# KiCad board MPPT Li-Ion CN3791 charger board_panel.kicad_pcb (continued)
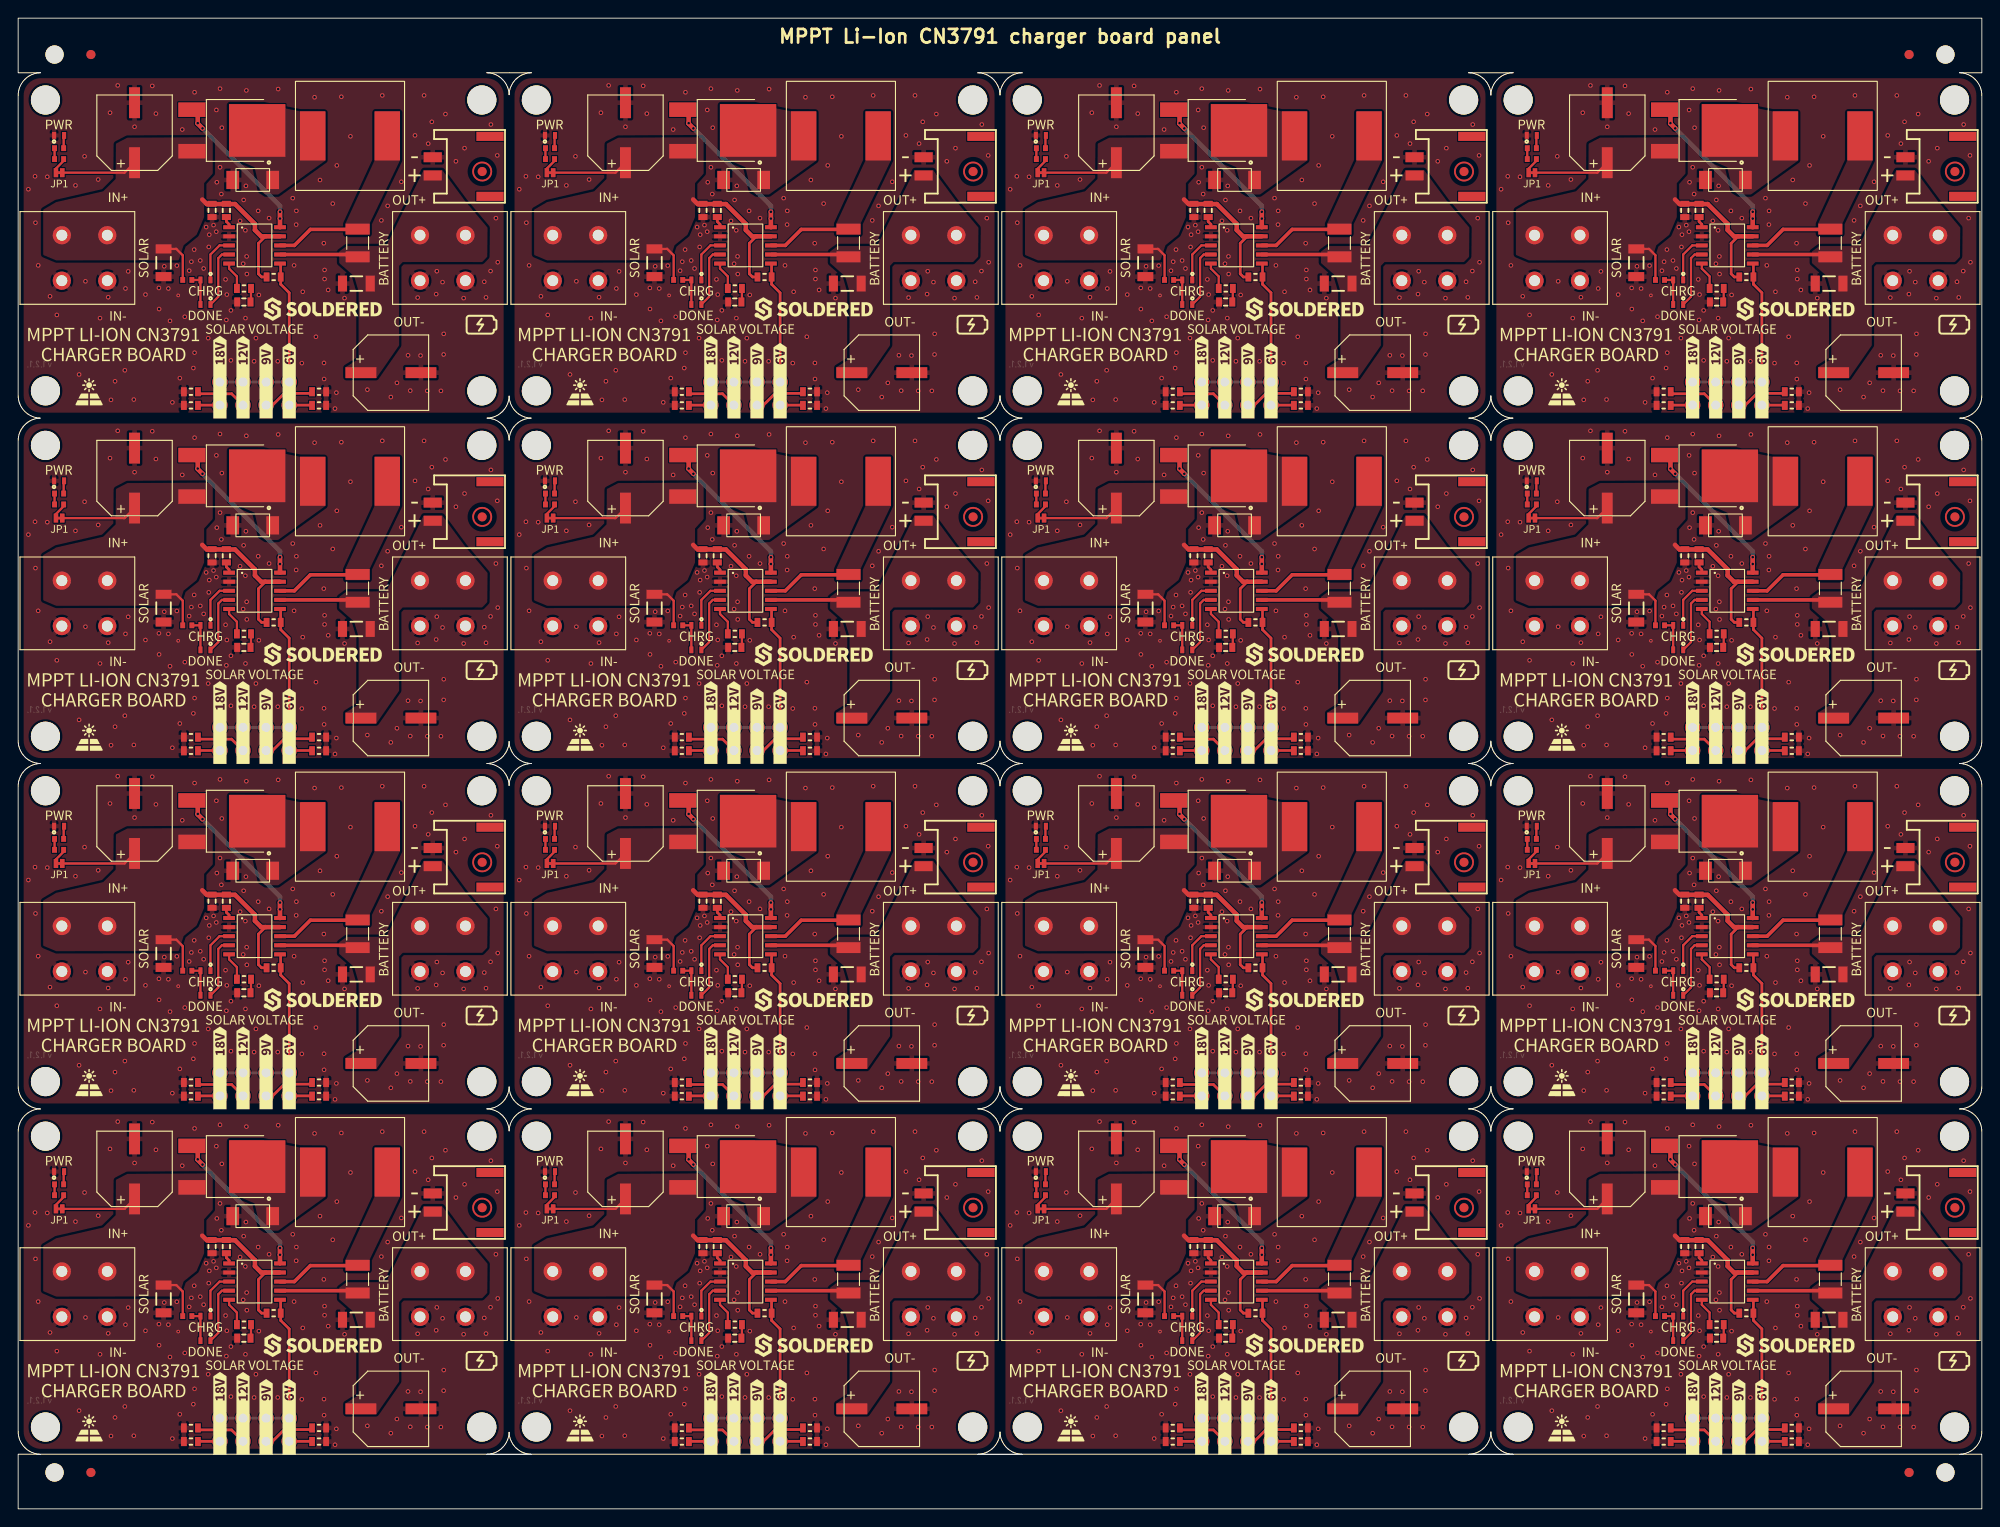
[diagram p0: board, top side]
## Routing (per net, layer and track width the routed paths; a pad name or vN(x,y) marks a point on that pad's centre or on a via; arc(x,y) is an arc through that point) (continued)
Board_13-Net-(D1-Pad2): length 7.3
  Top w0.25: D1#7.2 76.01,19.36 76.01,23.6 76.41,24 77.7,24
Board_13-Net-(D2-Pad2): length 5.8
  Top w0.25: D2#14.2 75.15,24 76.15,25 77.7,25
Board_13-Net-(D3-Pad1): length 18.5
  Top w0.5: U1#7.10 v1(82.8,27.95) v1(82.8,28.7) ; D3#16.1 73.75,39.3 v1(73.75,38.45) 73.75,38.4 v1(74.28,37.88)
  Bottom w0.5: v1(73.75,38.45) 73.75,38.4 v1(74.28,37.88) 82.8,29.35 v1(82.8,28.7) v1(82.8,27.95)
Board_13-Net-(D5-Pad1): length 1.4
  Top w0.254: R9#2.2 59,37.05 D5#13.1
Board_13-Net-(JP1-Pad2): length 1.9
  Top w0.254: R10#5.1 59,34.3 58.15,33.45 JP1#12.2
Board_13-Net-(K2-Pad1): length 2.4
  Top w0.3: R3#6.2 73.81,7.43 K2#9.1
Board_13-Net-(K2-Pad2): length 5.6
  Top w0.3: R4#11.2 74,8.68 77.48,8.68 K2#9.2
Board_13-Net-(K2-Pad3): length 5.7
  Top w0.3: K2#9.3 81.98,7.43 83.27,8.72 86.15,8.72 R6.2
Board_13-Net-(K2-Pad4): length 26.1
  Top w0.3: K2#9.4 86.3,7.43 R7#16.2 ; U1#7.6 82.88,22.93 R5#14.1 82.88,20.73 83.81,19.79 K2#9.5
  Bottom w0.3: K2#9.4 K2#9.5 K2#9.8
Board_13-Net-(L1-Pad2): length 9.3
  Top w0.3: 91.31,26.76 R8#16.1
  Top w0.4: 91.31,26.76 86.14,26.76 84.38,25 U1#7.8
Board_13-Net-(R2-Pad2): length 3.1
  Top w0.25: U1#7.5 77.2,22.45 78.06,21.59 R2#8.2
Board_13-Net-(R10-Pad2): length 1.2
  Top w0.254: R10#5.2 R9#2.1
Board_13-VCC: length 29.6
  Top w0.254: R1#16.2 72.1,23.91 71.4,24.62 C1#6.2 ; C3#5.1 65.7,33 JP1#12.1
  Top w0.3: R5#14.2 80.78,21.53 80.43,21.88 80.43,25.23 81.2,26
  Top w0.5: 74.25,30.05 74.75,29.55 77.85,29.55 80.04,27.36 80.04,26.69 80.73,26 U1#7.9
Board_14-BAT: length 8.6
  Top w0.4: R8.2 145.09,24 U1#15.7
Board_14-GND:
  vias: v1(109.12,31.18) v1(109.85,32.6) v1(109.9,27.5) v1(110.2,22.8) v1(111.2,32.55) v1(111.5,19.4) v1(112.25,17.35) v1(114.3,31.6) v1(114.7,10.8) v1(115.3,34.8) v1(115.4,21.05) v1(116.8,32.25) v1(117,17) v1(117.9,19.3) v1(118.1,39.6) v1(118.21,8.01) v1(118.65,10.05) v1(118.95,42.6) v1(119.73,11.26) v1(119.8,20.26) v1(120.1,22.14) v1(120.72,8.04) v1(120.8,38.05) v1(122,19.59) v1(122.75,42.55) v1(123.15,39.5) v1(123.48,20.32) v1(123.5,18) v1(124.07,22.7) v1(124.52,20.26) v1(124.7,16.7) v1(124.96,7.73) v1(125.45,22.78) v1(125.78,10.4) v1(126.05,37.75) v1(126.33,17.15) v1(126.81,22.22) v1(127.05,23.21) v1(127.27,11.51) v1(127.4,41.85) v1(127.36,24.54) v1(127.4,13.2) v1(128.03,23.34) v1(128.4,22.46) v1(128.68,27.02) v1(128.9,14.8) v1(129.02,26.18) v1(128.96,24.83) v1(129.49,27.23) v1(129.8,39.9) v1(129.79,26.51) v1(129.85,31.95) v1(130.2,42.25) v1(130.2,33.6) v1(130.4,37.95) v1(130.35,30.65) v1(130.81,21.26) v1(130.9,16.8) v1(130.95,19.59) v1(131.4,17.85) v1(131.4,12.35) v1(132.41,27.7) v1(132.8,30) v1(132.75,22.99) v1(132.99,26.66) v1(133,17) v1(133.1,42.05) v1(133.05,31.55) v1(133.13,23.79) v1(133.15,21.85) v1(133.95,12.25) v1(134.15,14.8) v1(134.4,28.8) v1(134.48,19.55) v1(135.6,28) v1(136.6,42.2) v1(136.55,12.25) v1(138.2,30.2) v1(138.35,22.8) v1(138.6,28.8) v1(138.58,27.29) v1(139.2,12.05) v1(139.3,19.9) v1(140.6,41.3) v1(140.75,14.95) v1(141.2,32.2) v1(141.62,25.24) v1(141.64,12.07) v1(141.7,22.3) v1(141.7,21.3) v1(141.65,10.3) v1(142.1,20.1) v1(142.6,29.6) v1(142.85,7.05) v1(143,8.8) v1(143.05,33.8) v1(143.55,41.35) v1(143.9,19.2) v1(144.55,37) v1(146.41,9.13) v1(147.95,27.75) v1(148.05,41.5) v1(148.64,29.35) v1(148.99,8.32) v1(149.66,9.88) v1(150.15,32) v1(150.88,12.91) v1(151.13,9.02) v1(151.65,37.1) v1(151.94,19.26) v1(152.26,12.88) v1(152.65,41.5) v1(153,9) v1(153.1,36.2) v1(153.5,38.6) v1(153.98,19.64) v1(154.05,22.16) v1(154.5,9) v1(154.68,20.96) v1(154.81,15.27) v1(154.8,13) v1(155,39.45) v1(156.15,34.25) v1(157,19.2) v1(157.1,35.7) v1(159.27,21) v1(159.46,19.28) v1(160,38.3) v1(159.96,22.18) v1(160.55,28) v1(160.7,34.9) v1(160.75,23.15) v2(125.6,19.5)
Board_14-Net-(C4-Pad1): length 1.2
  Top w0.3: U1#15.1 131.2,27.33 130.9,27.62 C4#15.1
Board_14-Net-(C5-Pad2): length 1.5
  Top w0.25: C5#4.2 133.61,18.83 R2#15.1
Board_14-Net-(D1-Pad1): length 3.7
  Top w0.254: D1#13.1 D2#3.1 R1#5.1
Board_14-Net-(D1-Pad2): length 7.3
  Top w0.25: 131.7,24 130.41,24 130.01,23.6 130.01,19.36 D1#13.2
Board_14-Net-(D2-Pad2): length 5.8
  Top w0.25: D2#3.2 129.15,24 130.15,25 131.7,25
Board_14-Net-(D3-Pad1): length 18.5
  Top w0.5: v1(128.28,37.88) 127.75,38.4 v1(127.75,38.45) 127.75,39.3 D3#11.1 ; v1(136.8,28.7) v1(136.8,27.95) U1#15.10
  Bottom w0.5: v1(136.8,27.95) v1(136.8,28.7) 136.8,29.35 v1(128.28,37.88) 127.75,38.4 v1(127.75,38.45)
Board_14-Net-(D5-Pad1): length 1.4
  Top w0.254: D5#8.1 113,37.05 R9#14.2
Board_14-Net-(JP1-Pad2): length 1.9
  Top w0.254: JP1#9.2 112.15,33.45 113,34.3 R10#10.1
Board_14-Net-(K2-Pad1): length 2.4
  Top w0.3: K2#13.1 127.81,7.43 R3#13.2
Board_14-Net-(K2-Pad2): length 5.6
  Top w0.3: K2#13.2 131.48,8.68 128,8.68 R4#5.2
Board_14-Net-(K2-Pad3): length 5.7
  Top w0.3: K2#13.3 135.98,7.43 137.27,8.72 140.15,8.72 R6#10.2
Board_14-Net-(K2-Pad4): length 26.1
  Top w0.3: R7#6.2 140.3,7.43 K2#13.4 ; U1#15.6 136.88,22.93 R5#4.1 136.88,20.73 137.81,19.79 K2#13.5
  Bottom w0.3: K2#13.4 K2#13.5 K2#13.8
Board_14-Net-(L1-Pad2): length 9.3
  Top w0.3: 145.31,26.76 R8.1
  Top w0.4: 145.31,26.76 140.14,26.76 138.38,25 U1#15.8
Board_14-Net-(R2-Pad2): length 3.1
  Top w0.25: U1#15.5 131.2,22.45 132.06,21.59 R2#15.2
Board_14-Net-(R10-Pad2): length 1.2
  Top w0.254: R10#10.2 R9#14.1
Board_14-VCC: length 29.6
  Top w0.254: R1#5.2 126.1,23.91 125.4,24.62 C1#14.2 ; C3#9.1 119.7,33 JP1#9.1
  Top w0.3: R5#4.2 134.78,21.53 134.43,21.88 134.43,25.23 135.2,26
  Top w0.5: U1#15.9 134.73,26 134.04,26.69 134.04,27.36 131.85,29.55 128.75,29.55 128.25,30.05
Board_15-BAT: length 8.6
  Top w0.4: R8#7.2 199.09,24 U1#11.7
Board_15-GND:
  vias: v1(163.12,31.18) v1(163.85,32.6) v1(163.9,27.5) v1(164.2,22.8) v1(165.2,32.55) v1(165.5,19.4) v1(166.25,17.35) v1(168.3,31.6) v1(168.7,10.8) v1(169.3,34.8) v1(169.4,21.05) v1(170.8,32.25) v1(171,17) v1(171.9,19.3) v1(172.1,39.6) v1(172.21,8.01) v1(172.65,10.05) v1(172.95,42.6) v1(173.73,11.26) v1(173.8,20.26) v1(174.1,22.14) v1(174.72,8.04) v1(174.8,38.05) v1(176,19.59) v1(176.75,42.55) v1(177.15,39.5) v1(177.48,20.32) v1(177.5,18) v1(178.07,22.7) v1(178.52,20.26) v1(178.7,16.7) v1(178.96,7.73) v1(179.45,22.78) v1(179.78,10.4) v1(180.05,37.75) v1(180.33,17.15) v1(180.81,22.22) v1(181.05,23.21) v1(181.27,11.51) v1(181.4,41.85) v1(181.36,24.54) v1(181.4,13.2) v1(182.03,23.34) v1(182.4,22.46) v1(182.68,27.02) v1(182.9,14.8) v1(183.02,26.18) v1(182.96,24.83) v1(183.49,27.23) v1(183.8,39.9) v1(183.79,26.51) v1(183.85,31.95) v1(184.2,42.25) v1(184.2,33.6) v1(184.4,37.95) v1(184.35,30.65) v1(184.81,21.26) v1(184.9,16.8) v1(184.95,19.59) v1(185.4,17.85) v1(185.4,12.35) v1(186.41,27.7) v1(186.8,30) v1(186.75,22.99) v1(186.99,26.66) v1(187,17) v1(187.1,42.05) v1(187.05,31.55) v1(187.13,23.79) v1(187.15,21.85) v1(187.95,12.25) v1(188.15,14.8) v1(188.4,28.8) v1(188.48,19.55) v1(189.6,28) v1(190.6,42.2) v1(190.55,12.25) v1(192.2,30.2) v1(192.35,22.8) v1(192.6,28.8) v1(192.58,27.29) v1(193.2,12.05) v1(193.3,19.9) v1(194.6,41.3) v1(194.75,14.95) v1(195.2,32.2) v1(195.62,25.24) v1(195.64,12.07) v1(195.7,22.3) v1(195.7,21.3) v1(195.65,10.3) v1(196.1,20.1) v1(196.6,29.6) v1(196.85,7.05) v1(197,8.8) v1(197.05,33.8) v1(197.55,41.35) v1(197.9,19.2) v1(198.55,37) v1(200.41,9.13) v1(201.95,27.75) v1(202.05,41.5) v1(202.64,29.35) v1(202.99,8.32) v1(203.66,9.88) v1(204.15,32) v1(204.88,12.91) v1(205.13,9.02) v1(205.65,37.1) v1(205.94,19.26) v1(206.26,12.88) v1(206.65,41.5) v1(207,9) v1(207.1,36.2) v1(207.5,38.6) v1(207.98,19.64) v1(208.05,22.16) v1(208.5,9) v1(208.68,20.96) v1(208.81,15.27) v1(208.8,13) v1(209,39.45) v1(210.15,34.25) v1(211,19.2) v1(211.1,35.7) v1(213.27,21) v1(213.46,19.28) v1(214,38.3) v1(213.96,22.18) v1(214.55,28) v1(214.7,34.9) v1(214.75,23.15) v2(179.6,19.5)
Board_15-Net-(C4-Pad1): length 1.2
  Top w0.3: C4#8.1 184.9,27.62 185.2,27.33 U1#11.1
Board_15-Net-(C5-Pad2): length 1.5
  Top w0.25: C5#6.2 187.61,18.83 R2#12.1
Board_15-Net-(D1-Pad1): length 3.7
  Top w0.254: D1#9.1 D2#2.1 R1#9.1
Board_15-Net-(D1-Pad2): length 7.3
  Top w0.25: D1#9.2 184.01,19.36 184.01,23.6 184.41,24 185.7,24
Board_15-Net-(D2-Pad2): length 5.8
  Top w0.25: 185.7,25 184.15,25 183.15,24 D2#2.2
Board_15-Net-(D3-Pad1): length 18.5
  Top w0.5: v1(182.28,37.88) 181.75,38.4 v1(181.75,38.45) 181.75,39.3 D3#8.1 ; U1#11.10 v1(190.8,27.95) v1(190.8,28.7)
  Bottom w0.5: v1(190.8,27.95) v1(190.8,28.7) 190.8,29.35 v1(182.28,37.88) 181.75,38.4 v1(181.75,38.45)
Board_15-Net-(D5-Pad1): length 1.4
  Top w0.254: D5#9.1 167,37.05 R9#7.2
Board_15-Net-(JP1-Pad2): length 1.9
  Top w0.254: JP1#3.2 166.15,33.45 167,34.3 R10#11.1
Board_15-Net-(K2-Pad1): length 2.4
  Top w0.3: K2#10.1 181.81,7.43 R3#9.2
Board_15-Net-(K2-Pad2): length 5.6
  Top w0.3: K2#10.2 185.48,8.68 182,8.68 R4#4.2
Board_15-Net-(K2-Pad3): length 5.7
  Top w0.3: R6#16.2 194.15,8.72 191.27,8.72 189.98,7.43 K2#10.3
Board_15-Net-(K2-Pad4): length 26.1
  Top w0.3: K2#10.5 191.81,19.79 190.88,20.73 R5#6.1 190.88,22.93 U1#11.6 ; R7#13.2 194.3,7.43 K2#10.4
  Bottom w0.3: K2#10.4 K2#10.5 K2#10.8
Board_15-Net-(L1-Pad2): length 9.3
  Top w0.3: 199.31,26.76 R8#7.1
  Top w0.4: 199.31,26.76 194.14,26.76 192.38,25 U1#11.8
Board_15-Net-(R2-Pad2): length 3.1
  Top w0.25: U1#11.5 185.2,22.45 186.06,21.59 R2#12.2
Board_15-Net-(R10-Pad2): length 1.2
  Top w0.254: R10#11.2 R9#7.1
Board_15-VCC: length 29.6
  Top w0.254: JP1#3.1 173.7,33 C3#15.1 ; R1#9.2 180.1,23.91 179.4,24.62 C1#5.2
  Top w0.3: 189.2,26 188.43,25.23 188.43,21.88 188.78,21.53 R5#6.2
  Top w0.5: 182.25,30.05 182.75,29.55 185.85,29.55 188.04,27.36 188.04,26.69 188.73,26 U1#11.9

## Copper pours and planes (outline as drawn; the poured copper is in the pictures)
Board_0-BAT on Top: 49.15,143.9 51.63,140.96 51.6,137.75 51.04,137.17 46.53,137.18 42.3,137.17 41.9,136.75 41.9,133.53 41.9,128 39.4,124.4 36,124.4 36,125.6 37.44,126.5 37.45,133.91 36.96,135.61 35.31,137.06 35.31,138.33 36.12,138.93 40.47,138.93 42.94,143.91 44.6,147.3 46.64,147.3
Board_0-GND on Top, Bottom: 54,120 0,120 0,158 54,158
Board_0-Net-(D3-Pad2) on Top: 26.99,154.54 31,153.75 33.79,153.73 33.79,148.33 28.6,144.6 27.2,144.6 26.6,145 26,147.6 23.2,148.8 23.2,153.18 23.2,154.55
Board_0-Net-(L1-Pad2) on Top: 42,148.35 38.65,141.39 38.65,140.16 35.99,140.16 35.99,141.39 39.2,148.35 39.2,153.75 42,153.75
Board_0-VCC on Top: 20.45,142.11 19.63,140.18 18.2,139.02 17.66,137.36 15.83,137.36 10.93,137.36 4.18,137.35 2.75,137.95 2.75,142.93 4.18,143.77 9.35,144.95 10.72,146.31 10.75,150.2 12,150.85 21.1,150.9 21.4,150.55 21.4,146.9 20.45,145.85
Board_1-BAT on Top: 103.15,143.9 105.63,140.96 105.6,137.75 105.04,137.17 100.53,137.18 96.3,137.17 95.9,136.75 95.9,133.53 95.9,128 93.4,124.4 90,124.4 90,125.6 91.44,126.5 91.45,133.91 90.96,135.61 89.31,137.06 89.31,138.33 90.12,138.93 94.47,138.93 96.94,143.91 98.6,147.3 100.64,147.3
Board_1-GND on Top, Bottom: 108,120 54,120 54,158 108,158
Board_1-Net-(D3-Pad2) on Top: 80.99,154.54 85,153.75 87.79,153.73 87.79,148.33 82.6,144.6 81.2,144.6 80.6,145 80,147.6 77.2,148.8 77.2,153.18 77.2,154.55
Board_1-Net-(L1-Pad2) on Top: 96,148.35 92.65,141.39 92.65,140.16 89.99,140.16 89.99,141.39 93.2,148.35 93.2,153.75 96,153.75
Board_1-VCC on Top: 74.45,142.11 73.63,140.18 72.2,139.02 71.66,137.36 69.83,137.36 64.93,137.36 58.18,137.35 56.75,137.95 56.75,142.93 58.18,143.77 63.35,144.95 64.72,146.31 64.75,150.2 66,150.85 75.1,150.9 75.4,150.55 75.4,146.9 74.45,145.85
Board_2-BAT on Top: 157.15,143.9 159.63,140.96 159.6,137.75 159.04,137.17 154.53,137.18 150.3,137.17 149.9,136.75 149.9,133.53 149.9,128 147.4,124.4 144,124.4 144,125.6 145.44,126.5 145.45,133.91 144.96,135.61 143.31,137.06 143.31,138.33 144.12,138.93 148.47,138.93 150.94,143.91 152.6,147.3 154.64,147.3
Board_2-GND on Top, Bottom: 162,120 108,120 108,158 162,158
Board_2-Net-(D3-Pad2) on Top: 134.99,154.54 139,153.75 141.79,153.73 141.79,148.33 136.6,144.6 135.2,144.6 134.6,145 134,147.6 131.2,148.8 131.2,153.18 131.2,154.55
Board_2-Net-(L1-Pad2) on Top: 150,148.35 146.65,141.39 146.65,140.16 143.99,140.16 143.99,141.39 147.2,148.35 147.2,153.75 150,153.75
Board_2-VCC on Top: 128.45,142.11 127.63,140.18 126.2,139.02 125.66,137.36 123.83,137.36 118.93,137.36 112.18,137.35 110.75,137.95 110.75,142.93 112.18,143.77 117.35,144.95 118.72,146.31 118.75,150.2 120,150.85 129.1,150.9 129.4,150.55 129.4,146.9 128.45,145.85
Board_3-BAT on Top: 211.15,143.9 213.63,140.96 213.6,137.75 213.04,137.17 208.53,137.18 204.3,137.17 203.9,136.75 203.9,133.53 203.9,128 201.4,124.4 198,124.4 198,125.6 199.44,126.5 199.45,133.91 198.96,135.61 197.31,137.06 197.31,138.33 198.12,138.93 202.47,138.93 204.94,143.91 206.6,147.3 208.64,147.3
Board_3-GND on Top, Bottom: 216,120 162,120 162,158 216,158
Board_3-Net-(D3-Pad2) on Top: 188.99,154.54 193,153.75 195.79,153.73 195.79,148.33 190.6,144.6 189.2,144.6 188.6,145 188,147.6 185.2,148.8 185.2,153.18 185.2,154.55
Board_3-Net-(L1-Pad2) on Top: 204,148.35 200.65,141.39 200.65,140.16 197.99,140.16 197.99,141.39 201.2,148.35 201.2,153.75 204,153.75
Board_3-VCC on Top: 182.45,142.11 181.63,140.18 180.2,139.02 179.66,137.36 177.83,137.36 172.93,137.36 166.18,137.35 164.75,137.95 164.75,142.93 166.18,143.77 171.35,144.95 172.72,146.31 172.75,150.2 174,150.85 183.1,150.9 183.4,150.55 183.4,146.9 182.45,145.85
Board_4-BAT on Top: 49.15,105.9 51.63,102.96 51.6,99.75 51.04,99.17 46.53,99.18 42.3,99.17 41.9,98.75 41.9,95.53 41.9,90 39.4,86.4 36,86.4 36,87.6 37.44,88.5 37.45,95.91 36.96,97.61 35.31,99.06 35.31,100.33 36.12,100.93 40.47,100.93 42.94,105.91 44.6,109.3 46.64,109.3
Board_4-GND on Top, Bottom: 54,82 0,82 0,120 54,120
Board_4-Net-(D3-Pad2) on Top: 26.99,116.54 31,115.75 33.79,115.73 33.79,110.33 28.6,106.6 27.2,106.6 26.6,107 26,109.6 23.2,110.8 23.2,115.18 23.2,116.55
Board_4-Net-(L1-Pad2) on Top: 42,110.35 38.65,103.39 38.65,102.16 35.99,102.16 35.99,103.39 39.2,110.35 39.2,115.75 42,115.75
Board_4-VCC on Top: 20.45,104.11 19.63,102.18 18.2,101.02 17.66,99.36 15.83,99.36 10.93,99.36 4.18,99.35 2.75,99.95 2.75,104.93 4.18,105.77 9.35,106.95 10.72,108.31 10.75,112.2 12,112.85 21.1,112.9 21.4,112.55 21.4,108.9 20.45,107.85
Board_5-BAT on Top: 103.15,105.9 105.63,102.96 105.6,99.75 105.04,99.17 100.53,99.18 96.3,99.17 95.9,98.75 95.9,95.53 95.9,90 93.4,86.4 90,86.4 90,87.6 91.44,88.5 91.45,95.91 90.96,97.61 89.31,99.06 89.31,100.33 90.12,100.93 94.47,100.93 96.94,105.91 98.6,109.3 100.64,109.3
Board_5-GND on Top, Bottom: 108,82 54,82 54,120 108,120
Board_5-Net-(D3-Pad2) on Top: 80.99,116.54 85,115.75 87.79,115.73 87.79,110.33 82.6,106.6 81.2,106.6 80.6,107 80,109.6 77.2,110.8 77.2,115.18 77.2,116.55
Board_5-Net-(L1-Pad2) on Top: 96,110.35 92.65,103.39 92.65,102.16 89.99,102.16 89.99,103.39 93.2,110.35 93.2,115.75 96,115.75
Board_5-VCC on Top: 74.45,104.11 73.63,102.18 72.2,101.02 71.66,99.36 69.83,99.36 64.93,99.36 58.18,99.35 56.75,99.95 56.75,104.93 58.18,105.77 63.35,106.95 64.72,108.31 64.75,112.2 66,112.85 75.1,112.9 75.4,112.55 75.4,108.9 74.45,107.85
Board_6-BAT on Top: 157.15,105.9 159.63,102.96 159.6,99.75 159.04,99.17 154.53,99.18 150.3,99.17 149.9,98.75 149.9,95.53 149.9,90 147.4,86.4 144,86.4 144,87.6 145.44,88.5 145.45,95.91 144.96,97.61 143.31,99.06 143.31,100.33 144.12,100.93 148.47,100.93 150.94,105.91 152.6,109.3 154.64,109.3
Board_6-GND on Top, Bottom: 162,82 108,82 108,120 162,120
Board_6-Net-(D3-Pad2) on Top: 134.99,116.54 139,115.75 141.79,115.73 141.79,110.33 136.6,106.6 135.2,106.6 134.6,107 134,109.6 131.2,110.8 131.2,115.18 131.2,116.55
Board_6-Net-(L1-Pad2) on Top: 150,110.35 146.65,103.39 146.65,102.16 143.99,102.16 143.99,103.39 147.2,110.35 147.2,115.75 150,115.75
Board_6-VCC on Top: 128.45,104.11 127.63,102.18 126.2,101.02 125.66,99.36 123.83,99.36 118.93,99.36 112.18,99.35 110.75,99.95 110.75,104.93 112.18,105.77 117.35,106.95 118.72,108.31 118.75,112.2 120,112.85 129.1,112.9 129.4,112.55 129.4,108.9 128.45,107.85
Board_7-BAT on Top: 211.15,105.9 213.63,102.96 213.6,99.75 213.04,99.17 208.53,99.18 204.3,99.17 203.9,98.75 203.9,95.53 203.9,90 201.4,86.4 198,86.4 198,87.6 199.44,88.5 199.45,95.91 198.96,97.61 197.31,99.06 197.31,100.33 198.12,100.93 202.47,100.93 204.94,105.91 206.6,109.3 208.64,109.3
Board_7-GND on Top, Bottom: 216,82 162,82 162,120 216,120
Board_7-Net-(D3-Pad2) on Top: 188.99,116.54 193,115.75 195.79,115.73 195.79,110.33 190.6,106.6 189.2,106.6 188.6,107 188,109.6 185.2,110.8 185.2,115.18 185.2,116.55
Board_7-Net-(L1-Pad2) on Top: 204,110.35 200.65,103.39 200.65,102.16 197.99,102.16 197.99,103.39 201.2,110.35 201.2,115.75 204,115.75
Board_7-VCC on Top: 182.45,104.11 181.63,102.18 180.2,101.02 179.66,99.36 177.83,99.36 172.93,99.36 166.18,99.35 164.75,99.95 164.75,104.93 166.18,105.77 171.35,106.95 172.72,108.31 172.75,112.2 174,112.85 183.1,112.9 183.4,112.55 183.4,108.9 182.45,107.85
Board_8-BAT on Top: 49.15,67.9 51.63,64.96 51.6,61.75 51.04,61.17 46.53,61.18 42.3,61.17 41.9,60.75 41.9,57.53 41.9,52 39.4,48.4 36,48.4 36,49.6 37.44,50.5 37.45,57.91 36.96,59.61 35.31,61.06 35.31,62.33 36.12,62.93 40.47,62.93 42.94,67.91 44.6,71.3 46.64,71.3
Board_8-GND on Top, Bottom: 54,44 0,44 0,82 54,82
Board_8-Net-(D3-Pad2) on Top: 26.99,78.54 31,77.75 33.79,77.73 33.79,72.33 28.6,68.6 27.2,68.6 26.6,69 26,71.6 23.2,72.8 23.2,77.18 23.2,78.55
Board_8-Net-(L1-Pad2) on Top: 42,72.35 38.65,65.39 38.65,64.16 35.99,64.16 35.99,65.39 39.2,72.35 39.2,77.75 42,77.75
Board_8-VCC on Top: 20.45,66.11 19.63,64.18 18.2,63.02 17.66,61.36 15.83,61.36 10.93,61.36 4.18,61.35 2.75,61.95 2.75,66.93 4.18,67.77 9.35,68.95 10.72,70.31 10.75,74.2 12,74.85 21.1,74.9 21.4,74.55 21.4,70.9 20.45,69.85
Board_9-BAT on Top: 103.15,67.9 105.63,64.96 105.6,61.75 105.04,61.17 100.53,61.18 96.3,61.17 95.9,60.75 95.9,57.53 95.9,52 93.4,48.4 90,48.4 90,49.6 91.44,50.5 91.45,57.91 90.96,59.61 89.31,61.06 89.31,62.33 90.12,62.93 94.47,62.93 96.94,67.91 98.6,71.3 100.64,71.3
Board_9-GND on Top, Bottom: 108,44 54,44 54,82 108,82
Board_9-Net-(D3-Pad2) on Top: 80.99,78.54 85,77.75 87.79,77.73 87.79,72.33 82.6,68.6 81.2,68.6 80.6,69 80,71.6 77.2,72.8 77.2,77.18 77.2,78.55
Board_9-Net-(L1-Pad2) on Top: 96,72.35 92.65,65.39 92.65,64.16 89.99,64.16 89.99,65.39 93.2,72.35 93.2,77.75 96,77.75
Board_9-VCC on Top: 74.45,66.11 73.63,64.18 72.2,63.02 71.66,61.36 69.83,61.36 64.93,61.36 58.18,61.35 56.75,61.95 56.75,66.93 58.18,67.77 63.35,68.95 64.72,70.31 64.75,74.2 66,74.85 75.1,74.9 75.4,74.55 75.4,70.9 74.45,69.85
Board_10-BAT on Top: 157.15,67.9 159.63,64.96 159.6,61.75 159.04,61.17 154.53,61.18 150.3,61.17 149.9,60.75 149.9,57.53 149.9,52 147.4,48.4 144,48.4 144,49.6 145.44,50.5 145.45,57.91 144.96,59.61 143.31,61.06 143.31,62.33 144.12,62.93 148.47,62.93 150.94,67.91 152.6,71.3 154.64,71.3
Board_10-GND on Top, Bottom: 162,44 108,44 108,82 162,82
Board_10-Net-(D3-Pad2) on Top: 134.99,78.54 139,77.75 141.79,77.73 141.79,72.33 136.6,68.6 135.2,68.6 134.6,69 134,71.6 131.2,72.8 131.2,77.18 131.2,78.55
Board_10-Net-(L1-Pad2) on Top: 150,72.35 146.65,65.39 146.65,64.16 143.99,64.16 143.99,65.39 147.2,72.35 147.2,77.75 150,77.75
Board_10-VCC on Top: 128.45,66.11 127.63,64.18 126.2,63.02 125.66,61.36 123.83,61.36 118.93,61.36 112.18,61.35 110.75,61.95 110.75,66.93 112.18,67.77 117.35,68.95 118.72,70.31 118.75,74.2 120,74.85 129.1,74.9 129.4,74.55 129.4,70.9 128.45,69.85
Board_11-BAT on Top: 211.15,67.9 213.63,64.96 213.6,61.75 213.04,61.17 208.53,61.18 204.3,61.17 203.9,60.75 203.9,57.53 203.9,52 201.4,48.4 198,48.4 198,49.6 199.44,50.5 199.45,57.91 198.96,59.61 197.31,61.06 197.31,62.33 198.12,62.93 202.47,62.93 204.94,67.91 206.6,71.3 208.64,71.3
Board_11-GND on Top, Bottom: 216,44 162,44 162,82 216,82
Board_11-Net-(D3-Pad2) on Top: 188.99,78.54 193,77.75 195.79,77.73 195.79,72.33 190.6,68.6 189.2,68.6 188.6,69 188,71.6 185.2,72.8 185.2,77.18 185.2,78.55
Board_11-Net-(L1-Pad2) on Top: 204,72.35 200.65,65.39 200.65,64.16 197.99,64.16 197.99,65.39 201.2,72.35 201.2,77.75 204,77.75
Board_11-VCC on Top: 182.45,66.11 181.63,64.18 180.2,63.02 179.66,61.36 177.83,61.36 172.93,61.36 166.18,61.35 164.75,61.95 164.75,66.93 166.18,67.77 171.35,68.95 172.72,70.31 172.75,74.2 174,74.85 183.1,74.9 183.4,74.55 183.4,70.9 182.45,69.85
Board_12-BAT on Top: 49.15,29.9 51.63,26.96 51.6,23.75 51.04,23.17 46.53,23.17 42.3,23.17 41.9,22.75 41.9,19.53 41.9,14 39.4,10.4 36,10.4 36,11.6 37.44,12.5 37.45,19.91 36.96,21.61 35.31,23.06 35.31,24.33 36.12,24.93 40.47,24.93 42.94,29.91 44.6,33.3 46.64,33.3
Board_12-GND on Top, Bottom: 54,6 0,6 0,44 54,44
Board_12-Net-(D3-Pad2) on Top: 26.99,40.54 31,39.75 33.79,39.73 33.79,34.33 28.6,30.6 27.2,30.6 26.6,31 26,33.6 23.2,34.8 23.2,39.18 23.2,40.55
Board_12-Net-(L1-Pad2) on Top: 42,34.35 38.65,27.39 38.65,26.16 35.99,26.16 35.99,27.39 39.2,34.35 39.2,39.75 42,39.75
Board_12-VCC on Top: 20.45,28.11 19.63,26.18 18.2,25.02 17.66,23.36 15.83,23.36 10.93,23.36 4.18,23.35 2.75,23.95 2.75,28.93 4.18,29.77 9.35,30.95 10.72,32.31 10.75,36.2 12,36.85 21.1,36.9 21.4,36.55 21.4,32.9 20.45,31.85
Board_13-BAT on Top: 103.15,29.9 105.63,26.96 105.6,23.75 105.04,23.17 100.53,23.17 96.3,23.17 95.9,22.75 95.9,19.53 95.9,14 93.4,10.4 90,10.4 90,11.6 91.44,12.5 91.45,19.91 90.96,21.61 89.31,23.06 89.31,24.33 90.12,24.93 94.47,24.93 96.94,29.91 98.6,33.3 100.64,33.3
Board_13-GND on Top, Bottom: 108,6 54,6 54,44 108,44
Board_13-Net-(D3-Pad2) on Top: 80.99,40.54 85,39.75 87.79,39.73 87.79,34.33 82.6,30.6 81.2,30.6 80.6,31 80,33.6 77.2,34.8 77.2,39.18 77.2,40.55
Board_13-Net-(L1-Pad2) on Top: 96,34.35 92.65,27.39 92.65,26.16 89.99,26.16 89.99,27.39 93.2,34.35 93.2,39.75 96,39.75
Board_13-VCC on Top: 74.45,28.11 73.63,26.18 72.2,25.02 71.66,23.36 69.83,23.36 64.93,23.36 58.18,23.35 56.75,23.95 56.75,28.93 58.18,29.77 63.35,30.95 64.72,32.31 64.75,36.2 66,36.85 75.1,36.9 75.4,36.55 75.4,32.9 74.45,31.85
Board_14-BAT on Top: 157.15,29.9 159.63,26.96 159.6,23.75 159.04,23.17 154.53,23.17 150.3,23.17 149.9,22.75 149.9,19.53 149.9,14 147.4,10.4 144,10.4 144,11.6 145.44,12.5 145.45,19.91 144.96,21.61 143.31,23.06 143.31,24.33 144.12,24.93 148.47,24.93 150.94,29.91 152.6,33.3 154.64,33.3
Board_14-GND on Top, Bottom: 162,6 108,6 108,44 162,44
Board_14-Net-(D3-Pad2) on Top: 134.99,40.54 139,39.75 141.79,39.73 141.79,34.33 136.6,30.6 135.2,30.6 134.6,31 134,33.6 131.2,34.8 131.2,39.18 131.2,40.55
Board_14-Net-(L1-Pad2) on Top: 150,34.35 146.65,27.39 146.65,26.16 143.99,26.16 143.99,27.39 147.2,34.35 147.2,39.75 150,39.75
Board_14-VCC on Top: 128.45,28.11 127.63,26.18 126.2,25.02 125.66,23.36 123.83,23.36 118.93,23.36 112.18,23.35 110.75,23.95 110.75,28.93 112.18,29.77 117.35,30.95 118.72,32.31 118.75,36.2 120,36.85 129.1,36.9 129.4,36.55 129.4,32.9 128.45,31.85
Board_15-BAT on Top: 211.15,29.9 213.63,26.96 213.6,23.75 213.04,23.17 208.53,23.17 204.3,23.17 203.9,22.75 203.9,19.53 203.9,14 201.4,10.4 198,10.4 198,11.6 199.44,12.5 199.45,19.91 198.96,21.61 197.31,23.06 197.31,24.33 198.12,24.93 202.47,24.93 204.94,29.91 206.6,33.3 208.64,33.3
Board_15-GND on Top, Bottom: 216,6 162,6 162,44 216,44
Board_15-Net-(D3-Pad2) on Top: 188.99,40.54 193,39.75 195.79,39.73 195.79,34.33 190.6,30.6 189.2,30.6 188.6,31 188,33.6 185.2,34.8 185.2,39.18 185.2,40.55
Board_15-Net-(L1-Pad2) on Top: 204,34.35 200.65,27.39 200.65,26.16 197.99,26.16 197.99,27.39 201.2,34.35 201.2,39.75 204,39.75
Board_15-VCC on Top: 182.45,28.11 181.63,26.18 180.2,25.02 179.66,23.36 177.83,23.36 172.93,23.36 166.18,23.35 164.75,23.95 164.75,28.93 166.18,29.77 171.35,30.95 172.72,32.31 172.75,36.2 174,36.85 183.1,36.9 183.4,36.55 183.4,32.9 182.45,31.85

## Text on the board
F.Silkscreen: MPPT Li-Ion CN3791 charger board panel
User.8: V-CUT
